# KiCad board doom_v1.kicad_pcb (continued)
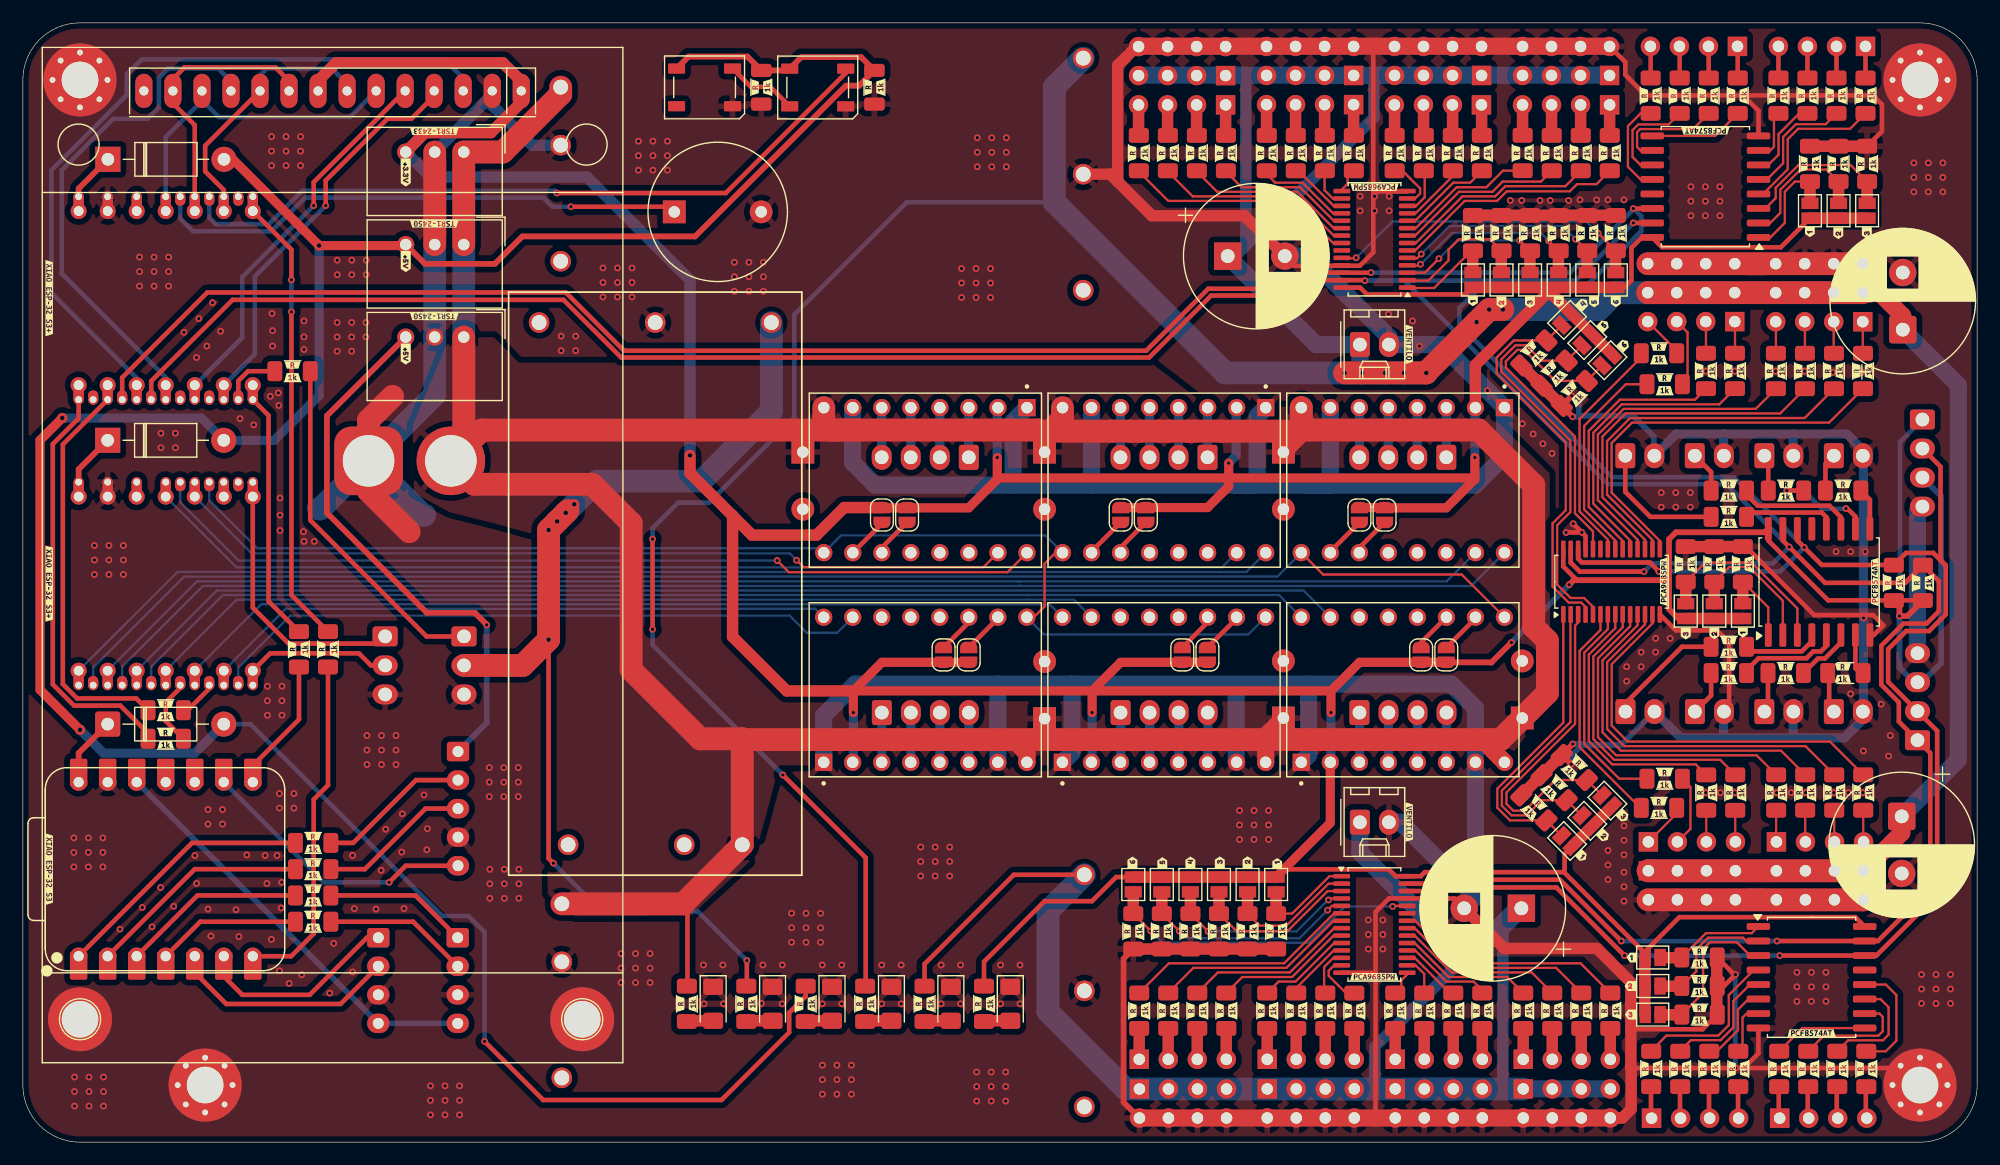
[diagram p0: board, top side]
## Routing (per net, layer and track width the routed paths; a pad name or vN(x,y) marks a point on that pad's centre or on a via; arc(x,y) is an arc through that point) (continued)
Net-(JP2-B): length 3.6
  Top w0.4: 116.94,52.05 JP2.2
  Bottom w0.4: U1.14 116.94,52.05
Net-(JP3-B): length 3.7
  Top w0.4: 93.5,51.71 96.05,54.26
  Bottom w0.4: 93.5,51.61 93.5,51.71
Net-(JP4-B): length 3.6
  Top w0.4: 96.04,52.05 98.25,54.26
  Bottom w0.4: 96.04,51.61 96.04,52.05
Net-(JP5-B): length 3.8
  Top w0.4: 72.61,51.71 72.72,51.71 75.16,54.15 75.16,54.26
  Bottom w0.4: 72.61,51.61 72.61,51.71
Net-(JP6-B): length 3.6
  Top w0.4: 75.15,52.05 77.36,54.26
  Bottom w0.4: 75.15,51.61 75.15,52.05
Net-(JP7-B): length 3.7
  Top w0.4: 85.32,45.86 82.77,43.31
  Bottom w0.4: 85.32,45.96 85.32,45.86
Net-(JP8-B): length 3.6
  Top w0.4: 82.78,45.52 80.57,43.31
  Bottom w0.4: 82.78,45.96 82.78,45.52
Net-(JP9-B): length 3.7
  Top w0.4: 106.21,45.86 103.66,43.31
  Bottom w0.4: 106.21,45.96 106.21,45.86
Net-(JP10-B): length 3.6
  Top w0.4: 103.67,45.52 101.46,43.31
  Bottom w0.4: 103.67,45.96 103.67,45.52
Net-(JP11-B): length 3.7
  Top w0.4: 127.11,45.86 124.56,43.31
  Bottom w0.4: 127.11,45.96 127.11,45.86
Net-(JP12-B): length 4
  Top w0.4: U6.14 122.36,43.76 122.36,43.31
  Bottom w0.4: 124.57,45.96 124.57,45.52
Net-(JP13-B): length 9
  Top w0.2: R73.2 111.06,20.01 114.33,23.28 U7.1
  Top w1: JP13.2 R73.2
Net-(JP14-B): length 12.1
  Top w0.2: R74.2 108.21,18.96 110.57,18.96 114.25,22.64 U7.2
  Top w1: JP14.2 R74.2
Net-(JP15-B): length 14.7
  Top w0.2: U7.3 114.17,21.98 110.74,18.56 110.66,18.56 110.56,18.46 106.21,18.46 R75.1
  Top w1: JP15.2 R75.1
Net-(JP16-B): length 17
  Top w0.2: U7.4 114.37,21.33 v1(114.23,21.2) ; v1(103.71,18.46) R76.2
  Top w1: JP16.2 R76.2
  Bottom w0.2: v1(103.71,18.46) 111.46,18.46 114.21,21.2 v1(114.23,21.2)
Net-(JP17-B): length 19.7
  Top w0.2: v1(114.16,20.31) 114.54,20.69 U7.5 ; v1(101.19,18.48) R77.2
  Top w1: JP17.2 R77.2
  Bottom w0.2: v1(101.19,18.48) 101.81,17.86 111.71,17.86 v1(114.16,20.31)
Net-(JP18-B): length 28.3
  Top w0.2: U7.24 119.91,20.69 v1(119.86,20.64) ; v1(98.69,18.48) R78.1
  Top w1: JP18.2 R78.1
  Bottom w0.2: v1(98.69,18.48) 99.71,17.46 112.51,17.46 115.69,20.64 v1(119.86,20.64)
Net-(JP19-B): length 9
  Top w0.2: 121.12,74.78 123.48,74.78 126.76,78.06 126.86,78.06
  Top w1: 126.86,76.16 126.86,78.06
Net-(JP20-B): length 12.6
  Top w0.2: 129.36,78.06 128.37,79.05 125.65,79.05 124.75,78.15 124.75,77.2 122.98,75.43 121.12,75.43
  Top w1: 129.36,76.16 129.36,78.06
Net-(JP21-B): length 14.2
  Top w0.2: v1(130.97,78.95) R81.1 ; v1(123.9,77.35) 122.67,76.12 U8.3
  Top w1: 131.86,76.16 131.86,78.06
  Bottom w0.2: v1(123.9,77.35) 125.5,78.95 v1(130.97,78.95)
Net-(JP22-B): length 17
  Top w0.2: v1(122.29,76.86) 122.16,76.73 121.12,76.73 ; v1(133.51,78.91) 134.36,78.06
  Top w1: 134.36,76.16 134.36,78.06
  Bottom w0.2: v1(122.29,76.86) 122.32,76.86 125.06,79.61 132.81,79.61 v1(133.51,78.91)
Net-(JP23-B): length 19.7
  Top w0.2: 121.12,77.38 121.99,77.38 v1(122.36,77.76) ; v1(135.86,79.06) 136.86,78.06
  Top w1: 136.86,76.16 136.86,78.06
  Bottom w0.2: v1(122.36,77.76) 124.81,80.21 134.71,80.21 v1(135.86,79.06)
Net-(JP24-B): length 28.3
  Top w0.2: 115.4,77.38 116.61,77.38 v1(116.66,77.43) ; v1(137.84,79.58) 139.36,78.06
  Top w1: 139.36,76.16 139.36,78.06
  Bottom w0.2: v1(116.66,77.43) 119.84,80.61 136.81,80.61 v1(137.84,79.58)
Net-(JP25-B): length 26
  Top w0.2: U9.1 134.79,36.73 129.01,30.95 129.01,29.29 130.12,28.17 R85.2 JP25.2
Net-(JP26-B): length 27.7
  Top w0.2: U9.2 135.41,46.18 135.41,36.78 129.41,30.78 129.41,29.45 130.25,28.62 131.58,28.62 132.9,29.94 R86.2 JP26.2
Net-(JP27-B): length 29.5
  Top w0.2: U9.3 136.09,45.49 135.82,45.22 135.82,36.62 129.81,30.62 129.81,29.62 130.41,29.02 131.41,29.02 134.1,31.71 R87.1 JP27.2
Net-(JP28-B): length 34.2
  Top w0.2: U9.4 136.74,46.86 136.36,47.24 135.26,47.24 133.85,48.65 133.85,54.18 135.01,55.33 135.01,61.25 128.96,67.3 128.96,68.7 130.45,70.19 R88.2 JP28.2
Net-(JP29-B): length 36
  Top w0.2: JP29.2 R89.2 132.87,68.42 131.53,69.77 130.6,69.77 129.36,68.53 129.36,67.46 135.41,61.42 135.41,55.17 134.25,54.01 134.25,48.82 135.42,47.64 136.61,47.64 137.39,46.86 U9.5
Net-(JP30-B): length 30.1
  Top w0.2: U9.24 137.39,53.48 135.81,55.06 135.81,61.77 129.76,67.82 129.76,68.37 130.76,69.37 131.36,69.37 134.08,66.65 R90.1 JP30.2
Net-(JP31-B): length 9.7
  Top w0.2: 145.12,16.15 147.27,18.3 151.28,18.3 151.82,18.85
  Top w1: 143.22,16.15 145.12,16.15
Net-(JP32-B): length 11.6
  Top w0.2: 151.82,17.58 150.84,17.58 150.52,17.9 147.45,17.9 146.42,16.87 146.42,14.95 145.12,13.65
  Top w1: 143.22,13.65 145.12,13.65
Net-(JP33-B): length 14
  Top w0.2: 145.12,11.15 147.02,13.05 147.02,16.9 147.62,17.5 149.97,17.5 151.17,16.31 151.82,16.31
  Top w1: 143.22,11.15 145.12,11.15
Net-(JP34-B): length 10
  Top w0.2: U12.1 152.9,79.21 154.17,80.49 154.17,83.22 155.05,84.1 R94.2
  Top w1: JP34.2 R94.2
Net-(JP35-B): length 12.5
  Top w0.2: U12.2 152.9,80.48 153.77,81.36 153.77,83.39 155.53,85.15 157.82,85.15 R95.2
  Top w1: JP35.2 R95.2
Net-(JP36-B): length 14.1
  Top w0.2: R96.1 159.92,85.55 155.37,85.55 153.37,83.56 153.37,82.65 152.47,81.75 U12.3
  Top w1: JP36.2 R96.1
Net-(JP37-B): length 7.5
  Top w0.2: U13.1 152.73,46.82 R97.2
  Top w1: JP37.2 R97.2
Net-(JP38-B): length 12.7
  Top w0.2: R98.2 149.3,50.35 151.05,50.35 154,47.4 U13.2
  Top w1: JP38.2 R98.2
Net-(JP39-B): length 16.4
  Top w0.2: R99.1 147.2,50.75 151.25,50.75 155.27,46.73 U13.3
  Top w1: JP39.2 R99.1
Net-(U7-LED0): length 20.6
  Top w0.2: R1.1 100.28,15.66 110.36,15.66 114.74,20.03 U7.6
Net-(U7-LED1): length 17.8
  Top w0.2: U7.7 114.69,19.39 110.56,15.26 102.42,15.26 R2.1
Net-(U7-LED2): length 15
  Top w0.2: R3.1 104.56,14.86 110.86,14.86 114.74,18.73 U7.8
Net-(U7-LED3): length 12.2
  Top w0.2: R4.2 106.7,14.46 111.06,14.46 114.69,18.08 115.4,18.08
Net-(U7-LED4): length 8.3
  Top w0.2: R5.1 109.88,14.06 111.36,14.06 114.74,17.44 U7.10
Net-(U7-LED5): length 5.8
  Top w0.2: R6.1 111.42,13.5 114.71,16.78 U7.11
Net-(U7-LED6): length 4.2
  Top w0.2: R7.1 113.86,13.16 113.86,15.33 114.66,16.14 U7.12
Net-(U7-LED7): length 4.7
  Top w0.2: R8.2 115.77,13.05 115.14,13.69 115.14,13.7 114.82,14.01 114.81,14.01 114.26,14.56 114.26,15 114.74,15.48 U7.13
Net-(U7-LED8): length 2.2
  Top w0.2: R9.1 120.61,13.59 120.61,14.16 121.12,14.67 U7.15
Net-(U7-LED9): length 3.5
  Top w0.2: U7.16 121.86,15.48 122.62,14.72 R10.1
Net-(U7-LED10): length 5.3
  Top w0.2: R11.1 124.86,13.06 121.78,16.14 U7.17
Net-(U7-LED11): length 8.3
  Top w0.2: R12.2 127.7,13.3 126.94,14.06 124.56,14.06 121.84,16.78 U7.18
Net-(U7-LED12): length 12
  Top w0.2: U7.19 121.78,17.44 124.76,14.46 129.88,14.46 R13.1
Net-(U7-LED13): length 14.8
  Top w0.2: R14.1 132.02,14.86 125.01,14.86 121.78,18.08 121.12,18.08
Net-(U7-LED14): length 17.6
  Top w0.2: R15.1 134.16,15.26 125.26,15.26 121.78,18.73 U7.21
Net-(U7-LED15): length 20.4
  Top w0.2: R16.2 136.3,15.66 125.56,15.66 121.84,19.39 U7.22
Net-(U8-LED0): length 20.6
  Top w0.2: R17.1 137.69,83.88 135.99,83.88 135.36,83.25 129.84,83.25 128.99,82.41 126.16,82.41 121.79,78.03 121.12,78.03
Net-(U8-LED1): length 17.8
  Top w0.2: 121.12,78.68 121.84,78.68 125.96,82.81 128.83,82.81 129.72,83.7 134.97,83.7 R18.1
Net-(U8-LED2): length 15
  Top w0.2: 121.12,79.33 121.79,79.33 125.66,83.21 128.59,83.21 129.49,84.11 132.84,84.11 R19.1
Net-(U8-LED3): length 12.2
  Top w0.2: R20.2 129.52,85.06 128.07,83.61 125.46,83.61 121.84,79.98 121.12,79.98
Net-(U8-LED4): length 8.3
  Top w0.2: 127.64,85.01 126.64,84.01 125.16,84.01 121.79,80.63 121.12,80.63
Net-(U8-LED5): length 5.8
  Top w0.2: 121.12,81.28 121.82,81.28 125.1,84.57 125.1,85.01
Net-(U8-LED6): length 4.2
  Top w0.2: 121.12,81.93 121.86,81.93 122.66,82.73 122.66,84.91 122.56,85.01
Net-(U8-LED7): length 4.7
  Top w0.2: 121.12,82.58 121.78,82.58 122.26,83.06 122.26,83.5 121.71,84.06 121.7,84.06 121.39,84.37 121.39,84.38 120.75,85.02 120.02,85.02
Net-(U8-LED8): length 2.2
  Top w0.2: 115.4,83.23 115.4,83.4 115.91,83.91 115.91,84.48 116.44,85.01
Net-(U8-LED9): length 3.5
  Top w0.2: 113.9,85.01 113.9,83.34 114.66,82.58 115.4,82.58
Net-(U8-LED10): length 5.3
  Top w0.2: 111.36,85.01 111.66,85.01 114.74,81.93 115.4,81.93
Net-(U8-LED11): length 8.3
  Top w0.2: 108.82,85.01 108.82,84.77 109.58,84.01 111.96,84.01 114.69,81.28 115.4,81.28
Net-(U8-LED12): length 12
  Top w0.2: 105.24,85.01 106.64,83.61 111.76,83.61 114.74,80.63 115.4,80.63
Net-(U8-LED13): length 14.8
  Top w0.2: 102.7,85.01 104.5,83.21 111.51,83.21 114.74,79.98 115.4,79.98
Net-(U8-LED14): length 17.6
  Top w0.2: 115.4,79.33 114.74,79.33 111.26,82.81 102.36,82.81 100.16,85.01
Net-(U8-LED15): length 20.4
  Top w0.2: 97.62,85.01 100.22,82.41 110.96,82.41 114.69,78.68 115.4,78.68
Net-(U9-LED0): length 20
  Top w0.2: U9.6 138.04,44.84 136.22,43.02 136.22,34.58 141.53,29.27 R33.1
Net-(U9-LED1): length 18.9
  Top w0.2: R34.1 139.68,31.82 136.62,34.88 136.62,42.85 138.69,44.92 U9.7
Net-(U9-LED2): length 23.5
  Top w0.2: R35.1 146.38,33.08 139.07,33.08 137.02,35.12 137.02,42.69 139.34,45 U9.8
Net-(U9-LED3): length 26.1
  Top w0.2: U9.9 139.99,45.09 137.42,42.52 137.42,35.29 139.24,33.47 148.52,33.47 R36.2 150.26,32.16
Net-(U9-LED4): length 28.9
  Top w0.2: U9.10 140.64,45.17 137.82,42.35 137.82,35.46 139.4,33.88 151.7,33.88 R37.1
Net-(U9-LED5): length 31
  Top w0.2: 155.81,32.16 R38.1 153.84,34.28 139.83,34.28 138.22,35.88 138.22,42.19 141.29,45.25 U9.11
Net-(U9-LED6): length 32.9
  Top w0.2: R39.1 155.98,34.67 140.12,34.67 138.63,36.17 138.63,42.02 141.94,45.33 U9.12
Net-(U9-LED7): length 35
  Top w0.2: R40.2 158.12,35.08 140.43,35.08 139.03,36.47 139.03,41.86 142.59,45.42 U9.13
Net-(U9-LED8): length 35
  Top w0.2: R41.1 158.05,63 140.8,63 139.02,61.22 139.02,56.86 143.24,52.64 U9.15
Net-(U9-LED9): length 32.9
  Top w0.2: U9.16 142.59,52.73 138.62,56.7 138.62,61.38 140.63,63.4 155.91,63.4 R42.1
Net-(U9-LED10): length 31.4
  Top w0.2: 155.93,65.46 R43.1 153.77,63.8 140.23,63.8 138.21,61.78 138.21,56.47 141.94,52.74 U9.17
Net-(U9-LED11): length 29.1
  Top w0.2: 153.67,65.69 R44.2 151.63,64.2 140.07,64.2 137.81,61.95 137.81,56.22 141.29,52.74 U9.18
Net-(U9-LED12): length 25.5
  Top w0.2: R45.1 148.44,64.6 139.9,64.6 137.41,62.11 137.41,55.9 140.64,52.68 U9.19
Net-(U9-LED13): length 23.4
  Top w0.2: R46.1 146.3,65 139.73,65 137.01,62.28 137.01,55.62 139.99,52.64 U9.20
Net-(U9-LED14): length 18.9
  Top w0.2: R47.1 140.26,66.36 136.61,62.71 136.61,55.39 139.34,52.67 U9.21
Net-(U9-LED15): length 20.4
  Top w0.2: U9.22 138.69,52.75 136.21,55.23 136.21,63.31 141.61,68.71 R48.2
Net-(U11-P0): length 13.8
  Top w0.2: 142.46,7.98 143.81,9.33 148.35,9.33 149.27,10.25 149.27,12.88 151.42,15.04 151.82,15.04
Net-(U11-P1): length 10.6
  Top w0.2: 145,7.98 145.95,8.93 148.55,8.93 149.67,10.05 149.67,12.35 151.09,13.77 151.82,13.77
Net-(U11-P2): length 7.2
  Top w0.2: 147.54,7.98 148.25,7.98 150.07,9.8 150.07,11.6 150.97,12.5 151.82,12.5
Net-(U11-P3): length 4.6
  Top w0.2: 150.08,7.98 150.47,8.37 150.47,10.9 150.8,11.23 151.82,11.23
Net-(U11-P4): length 8.3
  Top w0.2: R53.1 155.71,9.99 U11.9
Net-(U11-P5): length 10.2
  Top w0.2: U11.10 162.45,11.26 162.74,10.97 162.74,9.71 162.35,9.32 157.58,9.32 R54.1
Net-(U11-P6): length 9.9
  Top w0.2: U11.11 162.54,12.53 163.25,11.82 163.25,9.41 162.76,8.92 159.72,8.92 R55.1
Net-(U11-P7): length 10.2
  Top w0.2: R56.2 163.01,7.96 163.93,8.88 163.93,12.88 163.01,13.8 U11.12
Net-(U12-P0): length 13.8
  Top w0.2: R57.1 159.88,88.72 155.34,88.72 154.42,87.81 154.42,85.17 152.27,83.02 U12.4
Net-(U12-P1): length 10.6
  Top w0.2: U12.5 152.61,84.29 154.02,85.71 154.02,88.01 155.14,89.12 157.74,89.12 R58.1
Net-(U12-P2): length 7.2
  Top w0.2: R59.1 155.44,90.08 153.62,88.26 153.62,86.46 152.73,85.56 U12.6
Net-(U12-P3): length 4.6
  Top w0.2: U12.7 152.9,86.83 153.22,87.16 153.22,89.69 R60.2
Net-(U12-P4): length 8.3
  Top w0.2: U12.9 148.08,88.1 R61.1
Net-(U12-P5): length 9.7
  Top w0.2: U12.10 141.55,86.83 141.25,87.13 141.25,88.44 141.51,88.7 146.14,88.7 R62.1
Net-(U12-P6): length 9.1
  Top w0.2: R63.1 144,89.1 141.34,89.1 140.85,88.61 140.85,86.26 141.55,85.56 U12.11
Net-(U12-P7): length 8.6
  Top w0.2: U12.12 141.55,84.29 140.44,85.39 140.44,88.96 141.56,90.08 R64.2
Net-(U13-P0): length 6.8
  Top w0.4: U13.4 156.54,43.85 155.66,42.97 151.22,42.97 R65.1
Net-(U13-P1): length 9.1
  Top w0.4: R66.1 150.82,41.32 151.88,42.37 156.07,42.37 156.66,42.97 157.33,42.97 157.81,43.44 U13.5
Net-(U13-P2): length 5
  Top w0.4: R67.1 157.07,42.35 157.68,42.35 159.08,43.74 U13.6
Net-(U13-P3): length 3.5
  Top w0.4: 160.77,41.07 160.35,41.5 U13.7
Net-(U13-P4): length 3.7
  Top w0.4: U13.9 161.62,56.25 R69.1
Net-(U13-P5): length 9.5
  Top w0.4: 159.67,55.45 160.35,54.77 U13.10 ; v1(154.35,57.05) R70.1
  Bottom w0.4: v1(154.35,57.05) R70.1 157.42,55.45 159.67,55.45
  vias: v1(159.52,55.47)
Net-(U13-P6): length 10.4
  Top w0.4: R71.1 150.82,56.7 151.8,55.72 158.08,55.72 159.08,54.72 U13.11
Net-(U13-P7): length 8.4
  Top w0.4: U13.12 157.81,54.72 157.41,55.12 151.27,55.12 150.82,54.68
Net-(U15-GPIO1_D0/A0): length 37.7
  Top w0.4: R100.2 10.95,35.8 8.53,38.22 4.48,38.22 2.62,40.08 2.62,61.12 4.88,63.38 U15.1
  Bottom w0.2: U15.1 U15.1
Net-(U15-GPIO2_D1/A1): length 36.2
  Top w0.4: U15.2 3.5,61.09 3.5,40.1 4.75,38.85 9.92,38.85 R101.2
  Bottom w0.2: U15.2 U15.2
Net-(U15-GPIO10_XMCLK/ADC_BAT): length 5.2
  Top w0.4: R106.2 19.7,67.5 18.85,66.65 U15.20
Net-(U15-U0RXD_D7/RX): length 40.8
  Top w0.4: U15.8 23.5,78.14 v1(23.5,75.5) ; R107.2 23.5,47.9 v1(23.5,72.7)
  Bottom w0.2: U15.8 U15.8
  Bottom w0.4: v1(23.5,75.5) v1(23.5,72.7)
Net-(U15-U0TXD_D6/TX): length 23.3
  Top w0.4: R103.2 21.5,47.36 21.5,63.63 U15.7
  Bottom w0.2: U15.7 U15.7
Net-(U19-GPIO1/D0/A0): length 23.1
  Top w0.4: R102.2 14.8,26.2 U19.1
Net-(U19-GPIO2/DA/A1): length 19.6
  Top w0.4: R118.2 15.04,23.9 U19.2
Net-(U19-GPIO3/D2/A2): length 16.1
  Top w0.4: U19.3 15.28,21.6 R117.2
Net-(U19-GPIO4/D3/A3): length 12.6
  Top w0.4: R119.2 15.52,19.3 U19.4
unconnected-(U10-GPIO7_D8/A8/SCK-Pad9): length 1.3
  Bottom w0.8: U10.9 U10.9

## Copper pours and planes (outline as drawn; the poured copper is in the pictures)
+24V on Top: 127.7,64.4 133.6,58.55 133.65,38.35 129.58,33.02 66.2,32.98 64.03,24.96 58.43,19.82 45.95,19.78 45.8,35.05 46,52.85 41.35,54.15 37.35,55.15 34.22,56.86 34.1,62.75 37.3,70.41 41.2,70.49 43.4,68.25 98.7,68.26 103.7,64.4
GND on Top, Bottom: 178.4,103.3 175.8,-3.75 -14.35,-5.65 -10,104.8

## Text on the board
B.Silkscreen: Mother_Board_V1 / By OSCAR GRIVELET / Aka YOSH / 14/01/2026
